# Altium PCB MainBoard.PcbDoc
Units mil, origin at the board's own origin, x right, y up, seen from the top; angles counter-clockwise.
Board outline 2126.61 x 1968.5 mil, 2 copper layers (Top Layer, Bottom Layer); 71 components, 81 nets, 395 pads, 139 vias.
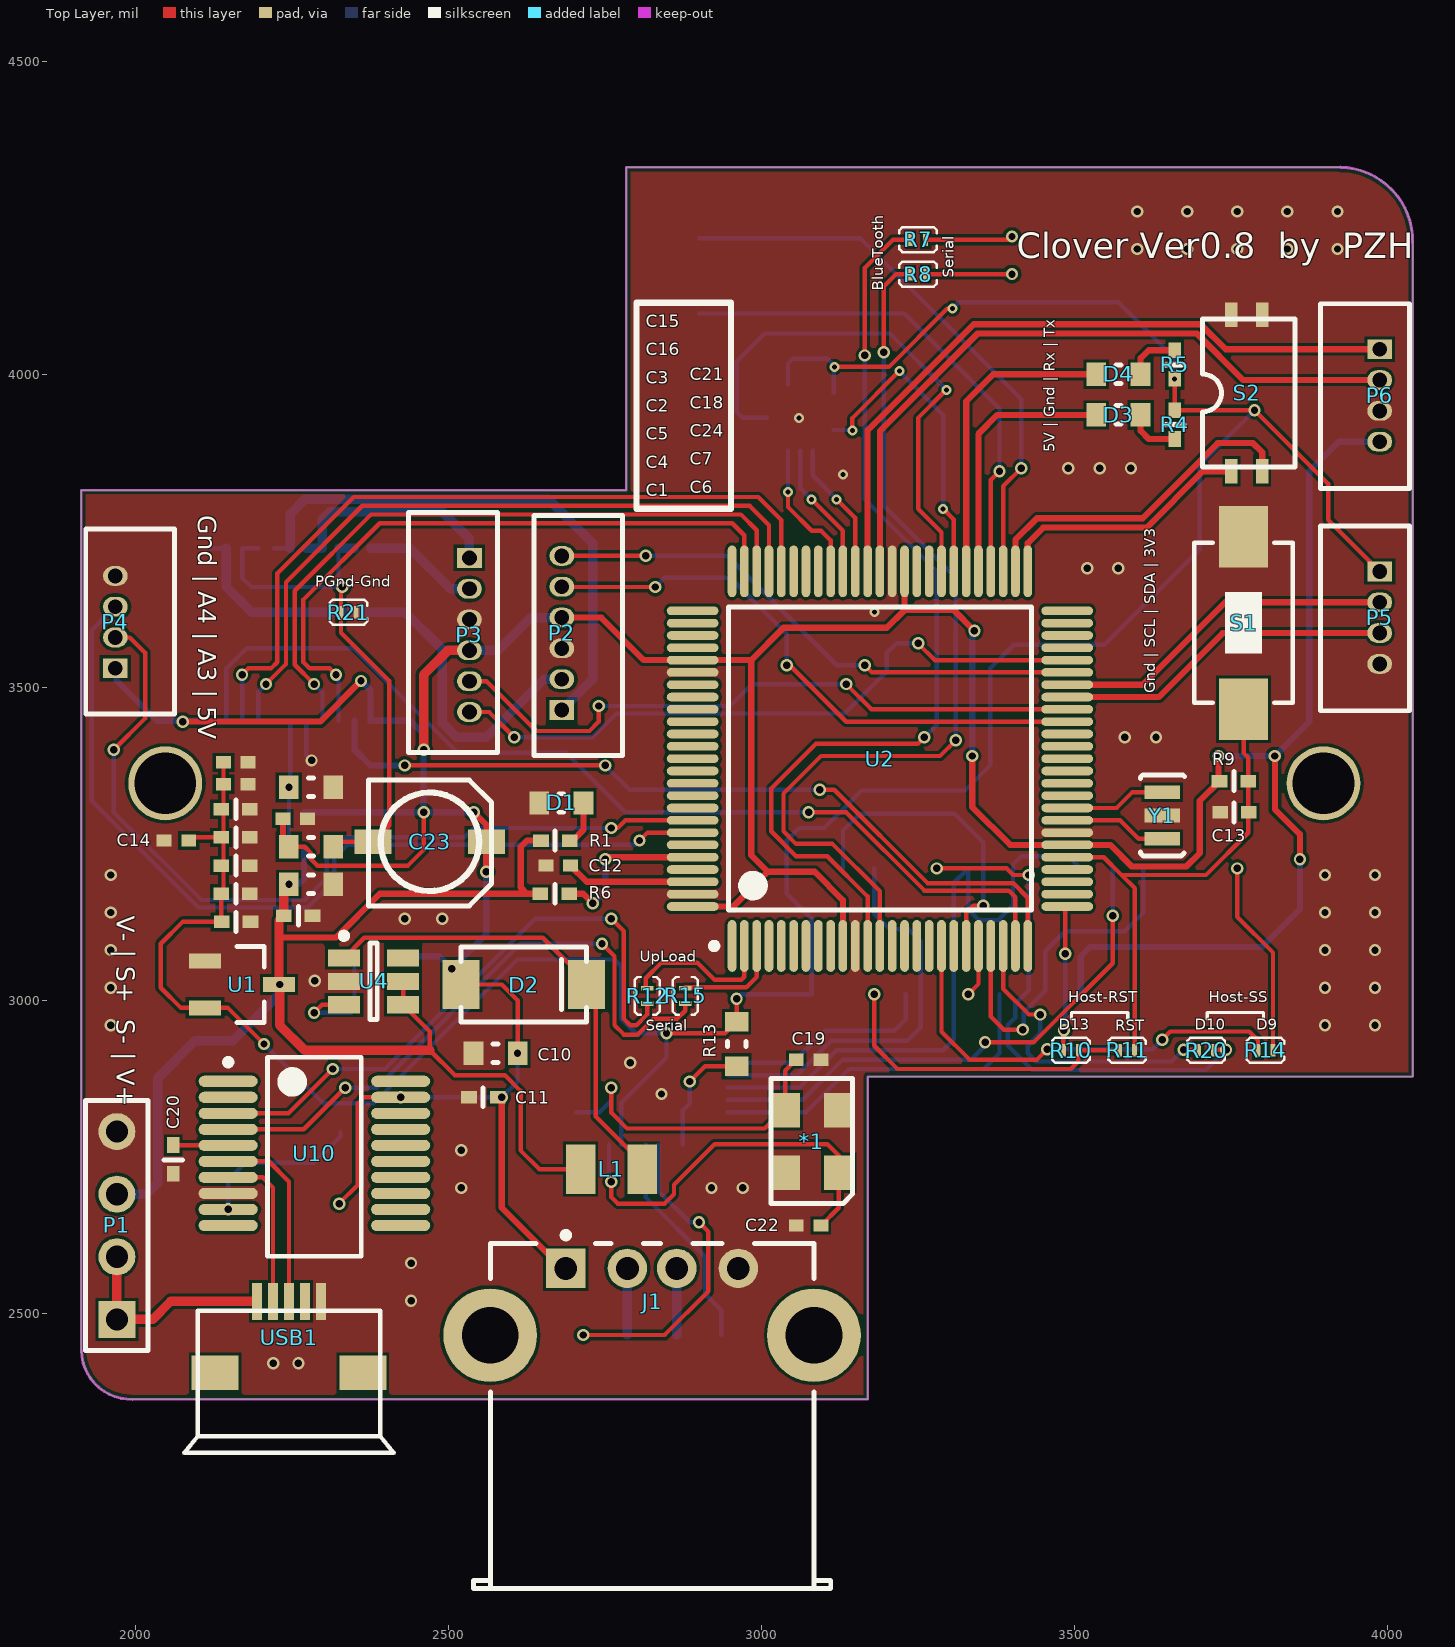
[diagram p0: Top Layer view]
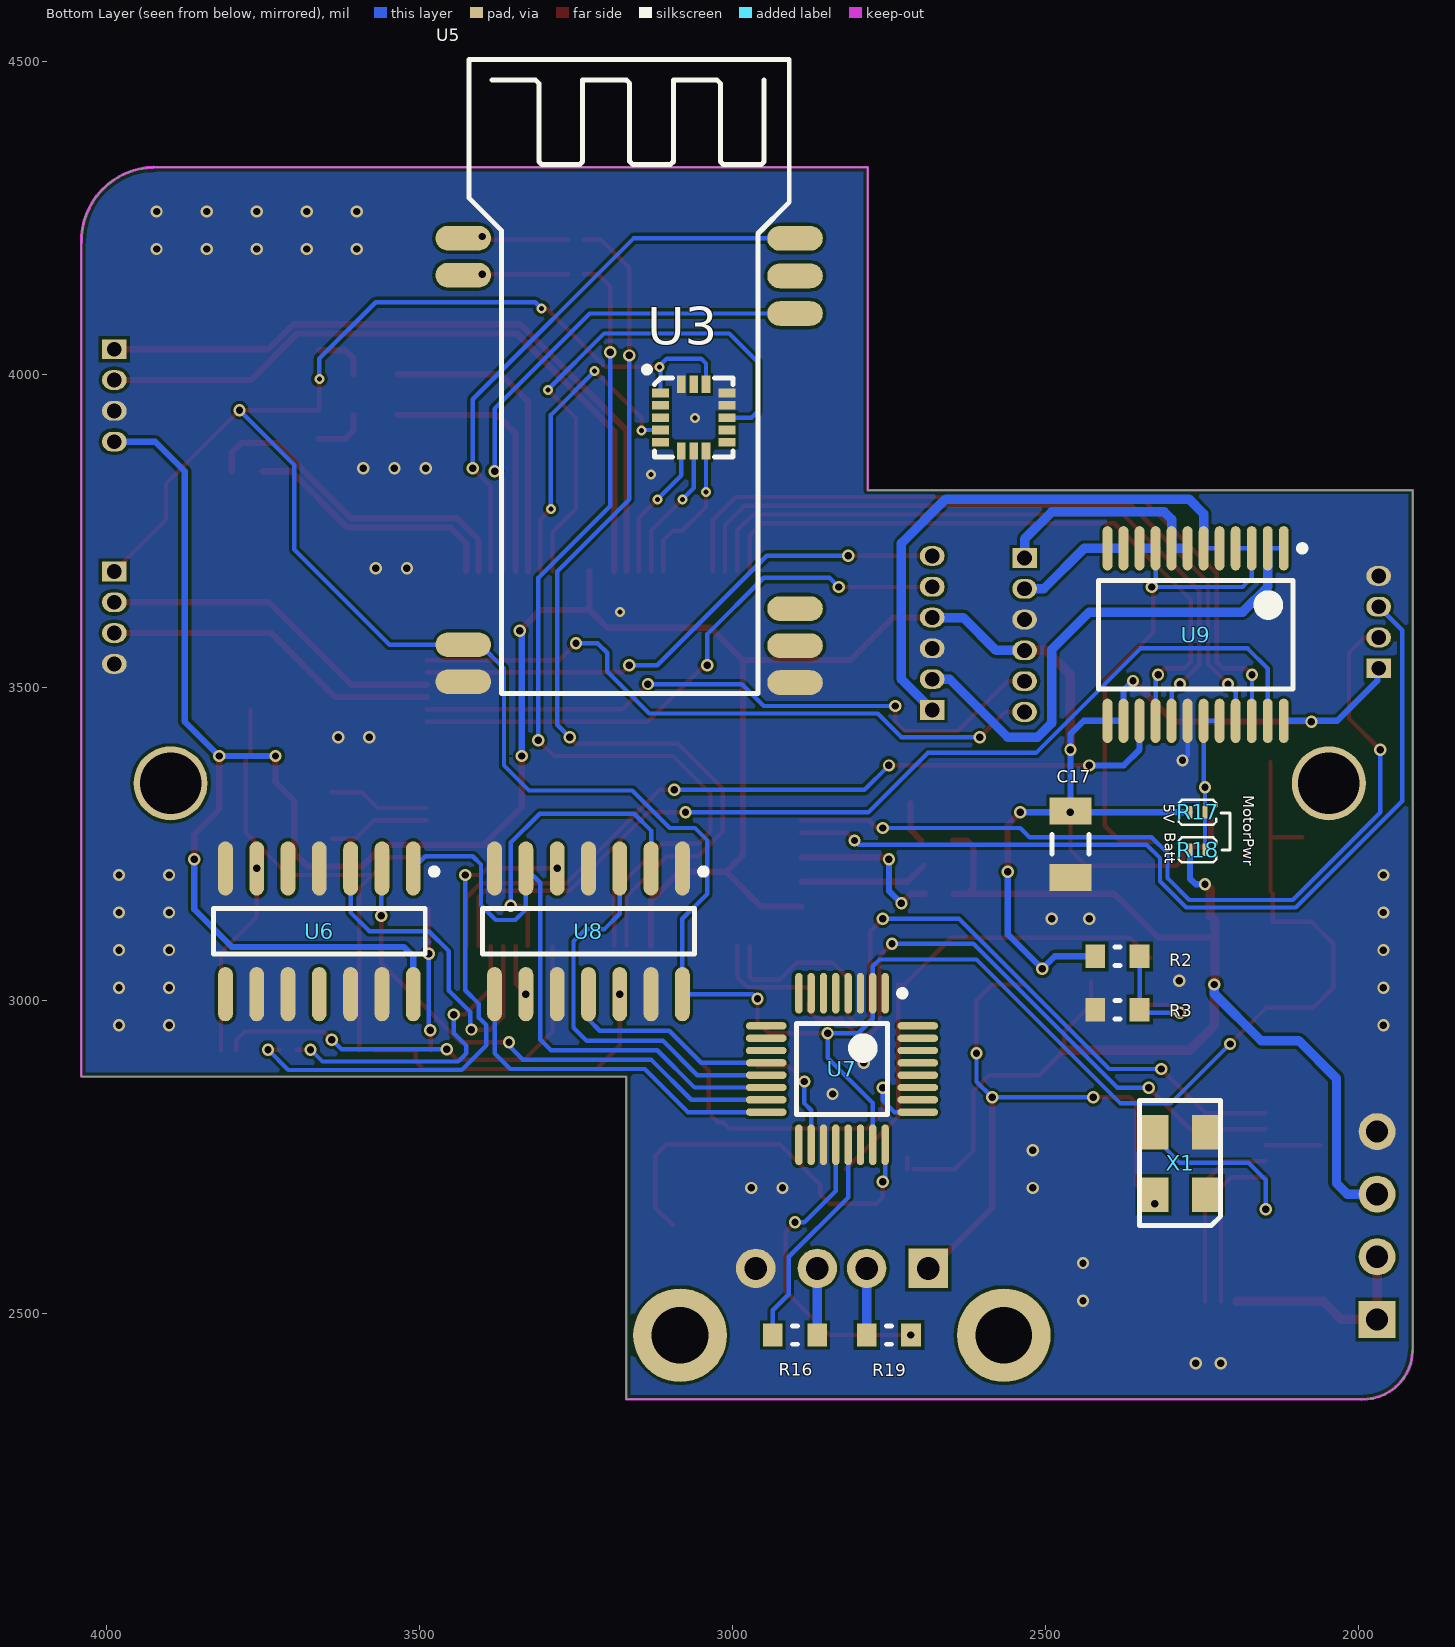
[diagram p1: Bottom Layer view, seen from below]

## Layer stack, top to bottom
Top Solder: solder mask 0.4, Solder Resist, Dk 3.5
Top Layer: signal copper 1.4
Dielectric 1: dielectric 12.6, FR-4, Dk 4.8
Bottom Layer: signal copper 1.4
Bottom Solder: solder mask 0.4, Solder Resist, Dk 3.5

## Board outline
1995,2362.2 cw(c1993.09,2441.91) 1913.39,2440 1913.39,3815 2784,3815 2784,4330.71 3925,4330.71 cw(c3922.15,4212.85) 4040,4210 4040,2878.03 3169.61,2878.03 3169.61,2362.2

## Design rules (kind name [scope] priority, off if disabled: settings)
Clearance [All] p1: gap=5
ComponentClearance [All] p1: gap=0 collisioncheckmode=3 verticalgap=0 showdistances=FALSE
HoleToHoleClearance [All] p1: gap=0 allowstackedmicrovias=TRUE
MinimumSolderMaskSliver [All] p1: minsoldermaskwidth=1
PlaneConnect [All] p1: planeconnectstyle=Direct reliefexpansion=20 reliefentries=4 reliefconductorwidth=10 reliefairgap=10
PolygonConnect [All] p1: connectstyle=Direct reliefconductorwidth=10 reliefentries=4 polygonreliefangle="90 Angle" airgapwidth=10
RoutingVias [All] p1: holewidth=28 width=50 viastyle="Through Hole" minholewidth=28 minwidth=50 maxholewidth=28 maxwidth=50
SilkToSilkClearance [All] p1: silktosilkclearance=0
SilkToSolderMaskClearance [IsPad] p1: minsilkscreentomaskgap=0 clearancetoexposedcopper=TRUE
SolderMaskExpansion [All] p1: expansion=4
UnpouredPolygon [All] p1: allowunpoured=FALSE
Width [All] p1: maxlimit=100 minlimit=7 preferedwidth=10
23 further rules are at their usual default settings.

## Components (designator, comment, footprint, x,y, rotation, side; value= is the part's Value field where it differs from the comment)
*1 "5032晶振" 5032晶振 3085,2775 r90 top
C1 "Cap" 0402C 2160,3125 r0 top
C2 "Cap" 0402C 2160,3260 r180 top
C3 "Cap" 0402C 2160,3305 r180 top
C4 "Cap" 0402C 2160,3170 r180 top
C5 "Cap" 0402C 2160,3215 r180 top
C6 "Cap" 0402C 2260,3135 r180 top
C7 "Cap" 0603_M 2280,3185 r180 top
C10 "10uF" 0603_M 2575,2915 r0 top
C11 "0.1uF" 0402C 2555,2845 r0 top
C12 "电容_0402" 0402 2675,3215 r0 top
C13 "Cap" 0402C 3755,3300 r0 top
C14 "电容_0603" 0402 2065,3255 r180 top
C15 "电容_0603" 0402 2160,3380 r0 top
C16 "电容_0603" 0402 2160,3345 r0 top
C17 "Cap Semi" C1206 2460,3249 r90 bottom
C18 "电容_0603" 0402 2255,3290 r0 top
C19 "电容_0603" 0402 3075,2905 r180 top
C20 "Cap" 0402C 2060,2745 r90 top
C21 "value" 0603_M 2280,3340 r180 top
C22 "电容_0603" 0402 3075,2640 r180 top
C23 "钽电容6x7mm" "CAP 6X7mm 贴片电解" 2470,3253 r0 top
C24 "0.1uF" 0603_M 2280,3245 r180 top
D1 "LED" 0603_M 2680,3315 r180 top
D2 "SS34" DO-214 2620,3025 r180 top
D3 "LED" 0603_M 3570,3935 r180 top
D4 "LED" 0603_M 3570,4000 r180 top
J1 "USB" USB_A1 2825,2060 r270 top
L1 "4.7uH" 贴片电感CD32 2760,2730 r0 top
P1 "开关" HDR1X4 1970,2490 r90 top
P2 "编码器1" 接插件6x1.25mm 2716,3586 r90 top
P3 "编码器2" 接插件6x1.25mm 2498,3584 r270 top
P4 "距离传感器" 接插件4x1.25mm 1995,3605 r90 top
P5 "MPU6050" 接插件4x1.25mm 3960,3610 r270 top
P6 "串口3" 接插件4x1.25mm 3960,3965 r270 top
R1 "电阻_0402" 0402C 2670,3255 r0 top
R2 "220k" 0603_M 2385,3070 r180 bottom
R3 "30k" 0603_M 2385,2985 r0 bottom
R4 "电阻_0402" 0402C 3660,3920 r270 top
R5 "电阻_0402" 0402C 3660,4015 r90 top
R6 "电阻_0402" 0402C 2670,3170 r180 top
R7 "0R电阻" 0R电阻 3250,4215 r0 top
R8 "0R电阻" 0R电阻 3250,4160 r0 top
R9 "Res2" 0402C 3755,3350 r180 top
R10 "0R电阻" 0R电阻 3494,2920 r0 top
R11 "0R电阻" 0R电阻 3584,2920 r180 top
R12 "0R电阻" 0R电阻 2817,3007 r90 top
R13 "电阻_0603" 0603_M 2960,2930 r90 top
R14 "0R电阻" 0R电阻 3805,2920 r180 top
R15 "0R电阻" 0R电阻 2878,3007 r90 top
R16 "电阻_0603" 0603_M 2900,2465 r0 bottom
R17 "0R电阻" 0R电阻 2257,3300 r0 bottom
R18 "0R电阻" 0R电阻 2257,3240 r0 bottom
R19 "电阻_0603" 0603_M 2750,2465 r180 bottom
R20 "0R电阻" 0R电阻 3710,2920 r0 top
R21 "0R电阻" 0R电阻 2340,3620 r180 top
S1 "SW-PB" SW_PB2_A1 3770,3605 r180 top
S2 "SW DIP-4" SW8_4BIT 3780,3970 r0 top
U1 "XC6206" SOT-23 2170,3025 r0 top
U2 "ATmega2560" QFP-100 3188.98,3385.83 r90 top
U3 "ADXL362" MAX21100 3115,3970 r180 bottom
U4 "MT3608" SOT23-6 2380,3030 r0 top
U5 "HC-06" HM_01_02_09_10 3420,3442 r180 bottom
U6 "74HC125" SOIC-14 3660,3110 r270 bottom
U7 "MAX3421E" TQFP-32 2825,2890 r270 bottom
U8 "74HC125" SOIC-14 3230,3110 r270 bottom
U9 "TB6612" SOP65P760-24 2260,3584 r270 bottom
U10 "CH340T" SSOP20 2290,2755 r0 top
USB1 "Micro USB" "USB MICRO" 2245,2385 r270 top
X1 "5032晶振" 5032晶振 2280,2740 r90 bottom
Y1 "XTAL-3PIN" X-CPX20 3640,3295 r270 top

## Footprints (in the part's own frame and the unit in brackets; to place one, negate y for a bottom-side part, rotate by r counter-clockwise, add the part's x,y. Pads: shape width x height; smd on the part's side, far side on the other; paste and mask are expansions set on the pad)
0R电阻 [mil]
  rect 7.87x20 smd: 1(-12,0) 2(12,0)
  silkscreen extent -30,-20 30,20
0402 [mm] "Chip Capacitor, Body 1.0x0.5mm, IPC High Density"
  rect 0.6x0.5 smd: 1(-0.5,0) 2(0.5,0)
  body extent -0.55,-0.3 0.55,0.3, height 1.3
0402C [mil]
  rect 25x20 smd: 1(-22.5,0) 2(23.5,0)
  silkscreen extent 0,-15 0,15
0603_M [mm]
  rect 0.8x0.95 smd: 1(-0.9,0) 2(0.9,0)
  silkscreen extent -0.1,-0.38 0.1,0.38, body extent -0.8,-0.4 0.8,0.4, height 0.5
5032晶振 [mm]
  rect 1.4x1.2 smd: 1(-1.289,-0.97) 2(1.251,-0.97) 3(1.251,1.2) 4(-1.289,1.2)
  silkscreen extent -2.54,-1.52 2.54,1.78
C1206 [mm] "Chip Capacitor, Body 3.2x1.6mm, IPC High Density"
  rect 1.1x1.7 smd: 1(-1.35,0) 2(1.35,0)
  silkscreen extent -0.4,-0.75 0.4,0.75, body extent -1.7,-0.9 1.7,0.9, height 1.3
"CAP 6X7mm 贴片电解" [mm]
  rect 1.5x1 smd: 1(2.3,0) 2(-2.3,0)
  silkscreen extent -2.5,-2.6 2.5,2.5
DO-214 [mm]
  rect 1.5x2 smd: 1(-2.54,0) 2(2.54,0)
  silkscreen extent -2.54,-1.52 2.54,1.52, body extent -3.04,-1.52 3.04,1.52, height 2.3
HDR1X4 [mm] "Connector; Header; 4 Position"
  rect 1.5x1.5 hole 0.9: 1(0,0)
  round 1.5 hole 0.9: 2(2.54,0) 3(5.08,0) 4(7.62,0)
  silkscreen extent -1.27,-1.27 8.89,1.27
HM_01_02_09_10 [mil]
  oval 88.74x39.37 smd: 1(-10,775.43) 2(-10,716.38) 12(-10,125.83) 13(-10,66.77) 22(520,65.43) 23(520,124.49) 24(520,183.54) 32(520,655.04) 33(520,715) 34(520,775)
  silkscreen extent -1,48 511,1061
MAX21100 [mm]
  rect 0.7x0.35 smd: 1(0,0) 2(0,-0.5) 3(0,-1) 4(0,-1.5) 5(0,-2) 9(2.7,-2) 10(2.7,-1.5) 11(2.7,-1) 12(2.7,-0.5) 13(2.7,0)
  rect 0.35x0.7 smd: 6(0.85,-2.35) 7(1.35,-2.35) 8(1.85,-2.35) 14(1.85,0.35) 15(1.35,0.35) 16(0.85,0.35)
  silkscreen extent -0.66,-2.6 2.95,1.06
QFP-100 [mm] "TSQFP, 100-Leads, Body 16.3x16.3"
  oval 2.1x0.35 smd: 1(-7.6,6) 2(-7.6,5.5) 3(-7.6,5) 4(-7.6,4.5) 5(-7.6,4) 6(-7.6,3.5) 7(-7.6,3) 8(-7.6,2.5) 9(-7.6,2) 10(-7.6,1.5) 11(-7.6,1) 12(-7.6,0.5) 13(-7.6,0) 14(-7.6,-0.5) 15(-7.6,-1) 16(-7.6,-1.5) 17(-7.6,-2) 18(-7.6,-2.5) 19(-7.6,-3) 20(-7.6,-3.5) 21(-7.6,-4) 22(-7.6,-4.5) 23(-7.6,-5) 24(-7.6,-5.5) 25(-7.6,-6) 51(7.6,-6) 52(7.6,-5.5) 53(7.6,-5) 54(7.6,-4.5) 55(7.6,-4) 56(7.6,-3.5) 57(7.6,-3) 58(7.6,-2.5) 59(7.6,-2) 60(7.6,-1.5) 61(7.6,-1) 62(7.6,-0.5) 63(7.6,0) 64(7.6,0.5) 65(7.6,1) 66(7.6,1.5) 67(7.6,2) 68(7.6,2.5) 69(7.6,3) 70(7.6,3.5) 71(7.6,4) 72(7.6,4.5) 73(7.6,5) 74(7.6,5.5) 75(7.6,6)
  oval 0.35x2.1 smd: 26(-6,-7.6) 27(-5.5,-7.6) 28(-5,-7.6) 29(-4.5,-7.6) 30(-4,-7.6) 31(-3.5,-7.6) 32(-3,-7.6) 33(-2.5,-7.6) 34(-2,-7.6) 35(-1.5,-7.6) 36(-1,-7.6) 37(-0.5,-7.6) 38(0,-7.6) 39(0.5,-7.6) 40(1,-7.6) 41(1.5,-7.6) 42(2,-7.6) 43(2.5,-7.6) 44(3,-7.6) 45(3.5,-7.6) 46(4,-7.6) 47(4.5,-7.6) 48(5,-7.6) 49(5.5,-7.6) 50(6,-7.6) 76(6,7.6) 77(5.5,7.6) 78(5,7.6) 79(4.5,7.6) 80(4,7.6) 81(3.5,7.6) 82(3,7.6) 83(2.5,7.6) 84(2,7.6) 85(1.5,7.6) 86(1,7.6) 87(0.5,7.6) 88(0,7.6) 89(-0.5,7.6) 90(-1,7.6) 91(-1.5,7.6) 92(-2,7.6) 93(-2.5,7.6) 94(-3,7.6) 95(-3.5,7.6) 96(-4,7.6) 97(-4.5,7.6) 98(-5,7.6) 99(-5.5,7.6) 100(-6,7.6)
  silkscreen extent -7.72,-6.15 6.15,6.85, body extent -7,-7 7,7, height 1.2
SOIC-14 [mm] "SOP, 14-Leads,"
  oval 2.2x0.6 smd: 1(-2.552,3.81) 2(-2.552,2.54) 3(-2.552,1.27) 4(-2.552,0) 5(-2.552,-1.27) 6(-2.552,-2.54) 7(-2.552,-3.81) 8(2.552,-3.81) 9(2.552,-2.54) 10(2.552,-1.27) 11(2.552,0) 12(2.552,1.27) 13(2.552,2.54) 14(2.552,3.81)
  silkscreen extent -2.55,-4.3 0.93,4.78, body extent -3,-4.34 2.99,4.34, height 1.55
SOP65P760-24 [mm] "0.65mm间距24管脚"
  oval 1.8x0.4 smd: 1(-3.5,3.575) 2(-3.5,2.925) 3(-3.5,2.275) 4(-3.5,1.625) 5(-3.5,0.975) 6(-3.5,0.325) 7(-3.5,-0.325) 8(-3.5,-0.975) 9(-3.5,-1.625) 10(-3.5,-2.275) 11(-3.5,-2.925) 12(-3.5,-3.575) 13(3.5,-3.575) 14(3.5,-2.925) 15(3.5,-2.275) 16(3.5,-1.625) 17(3.5,-0.975) 18(3.5,-0.325) 19(3.5,0.325) 20(3.5,0.975) 21(3.5,1.625) 22(3.5,2.275) 23(3.5,2.925) 24(3.5,3.575)
  silkscreen extent -3.62,-3.95 2.2,4.45, body extent -3.95,-4.31 3.95,4.32, height 1.79
SOT23-6 [mm]
  rect 1.3x0.7 smd: 1(-1.2,0.95) 2(-1.2,0) 3(-1.2,-0.95) 4(1.2,-0.95) 5(1.2,0) 6(1.2,0.95)
  silkscreen extent -1.32,-1.55 0.15,1.97, body extent -0.9,-1.55 0.9,1.55
SOT-23 [mm] "SOT23, 3-Leads, Body 3.1x3.0mm (max), Pitch 0.95mm, IPC Medium Density"
  rect 1.3x0.6 smd: 1(-1.5,0.95) 2(-1.5,-0.95) 3(1.5,0)
  silkscreen extent -0.2,-1.55 0.9,1.55, body extent -0.9,-1.55 0.9,1.55, height 1.2
SSOP20 [mm]
  oval 2.4x0.45 smd: 1(-3.612,2.932) 2(-3.612,2.282) 3(-3.612,1.632) 4(-3.612,0.982) 5(-3.612,0.332) 6(-3.612,-0.318) 7(-3.612,-0.968) 8(-3.612,-1.618) 9(-3.612,-2.268) 10(-3.612,-2.918) 11(3.388,-2.918) 12(3.388,-2.268) 13(3.388,-1.618) 14(3.388,-0.968) 15(3.388,-0.318) 16(3.388,0.332) 17(3.388,0.982) 18(3.388,1.632) 19(3.388,2.282) 20(3.388,2.932)
  silkscreen extent -3.74,-4.17 1.79,3.91, body extent -2.81,-4.17 2.59,3.96, height 2
SW8_4BIT [mm] "贴片拨码开关"
  rect 0.5x1 smd: 1(-0.75,-3.176) 2(0.5,-3.176) 3(0.5,3.176) 4(-0.75,3.176)
  silkscreen extent -1.91,-3 1.83,3, body extent -1.91,-3 1.83,3, height 2
SW_PB2_A1 [mm]
  rect 2x2.5 smd: 1(0,3.556) 2(0,-3.444)
  silkscreen extent -2,-3.19 2,3.31, body extent -1.93,-3.94 1.92,3.95, height 2.5
TQFP-32 [mm]
  oval 1.65x0.3 smd: 1(-3.075,1.75) 2(-3.075,1.25) 3(-3.075,0.75) 4(-3.075,0.25) 5(-3.075,-0.25) 6(-3.075,-0.75) 7(-3.075,-1.25) 8(-3.075,-1.75) 17(3.075,-1.75) 18(3.075,-1.25) 19(3.075,-0.75) 20(3.075,-0.25) 21(3.075,0.25) 22(3.075,0.75) 23(3.075,1.25) 24(3.075,1.75)
  oval 0.3x1.65 smd: 9(-1.75,-3.075) 10(-1.25,-3.075) 11(-0.75,-3.075) 12(-0.25,-3.075) 13(0.25,-3.075) 14(0.75,-3.075) 15(1.25,-3.075) 16(1.75,-3.075) 25(1.75,3.075) 26(1.25,3.075) 27(0.75,3.075) 28(0.25,3.075) 29(-0.25,3.075) 30(-0.75,3.075) 31(-1.25,3.075) 32(-1.75,3.075)
  silkscreen extent -3.2,-1.85 1.85,2.57, body extent -2.5,-2.5 2.5,2.5, height 1.2
"USB MICRO" [mm]
  rect 1.5x0.4 smd: 1(-3.4,-1.3) 2(-3.4,-0.65) 3(-3.4,0) 4(-3.4,0.65) 5(-3.4,1.3)
  rect 1.4x1.9 smd: ""(-0.5,3) ""(-0.5,-3)
  silkscreen extent -3.03,-4.25 2.75,4.25
USB_A1 [mm]
  rect 1.6x1.6 hole 0.92: 1(-12.99,-3.5)
  round 1.6 hole 0.92: 2(-12.99,-1) 3(-12.99,1) 4(-12.99,3.5)
  round 3.8 hole 2.3: 5(-10.28,6.57) 6(-10.28,-6.57)
  silkscreen extent -14.46,-7.25 0,7.25, body extent -14.16,-7.9 0,7.9, height 7.55
X-CPX20 [mm] "贴片晶振"
  rect 0.55x1.45 smd: 1(-0.95,0) 2(0,0) 3(0.95,0)
  silkscreen extent -1.65,-0.89 1.65,0.91
接插件4x1.25mm [mm] "TO, Thru-Hole, Vertical, Heatsink Mounted; 5 In-Line Leads; Pitch 1.70 mm"
  rect 0.8x1 hole 0.6: 1(-1.901,0.698)
  oval 0.8x1 hole 0.6: 2(-0.651,0.698) 3(0.598,0.698) 4(1.849,0.698)
  silkscreen extent -3.75,-1.7 3.75,1.9
接插件6x1.25mm [mm] "TO, Thru-Hole, Vertical, Heatsink Mounted; 5 In-Line Leads; Pitch 1.70 mm"
  rect 0.8x1 hole 0.6: 1(-3.11,0.894)
  oval 0.8x1 hole 0.6: 2(-1.86,0.894) 3(-0.61,0.894) 4(0.64,0.894) 5(1.89,0.894) 6(3.14,0.894)
  silkscreen extent -4.95,-1.57 4.79,2.03
贴片电感CD32 [mm]
  rect 1.2x2 smd: 1(-1.25,0) 2(1.25,0)

## Part data
C1 C2 C3 C4 C5 C6 C7 C12 C13 C14 C15 C16 C18 C19 C20 C22: "Capacitor"
C10: library part Cap, "Capacitor 100nF (104) ±10% 25V 0603"
C11: library part "Cap Semi", "Capacitor (Semiconductor SIM Model)"
C17: "Capacitor (Semiconductor SIM Model)"
C21 C24: library part Cap, "Capacitor"
C23: "Polarized Capacitor (Radial)"
D1 D3 D4: library part LED0, "Typical INFRARED GaAs LED"
D2: library part Diode, "Diode  SS34 DO214-AC"
J1: "USB接口"
L1: library part 贴片电感, "Inductor, 6.8uH, 4.5A, 1054 SMD"
P1: library part "Header 4", "Header, 4-Pin"
P2 P3: library part 接插件6x1.25mm_1
P4: library part MHDR1X4, "Header, 4-Pin"
P5 P6: library part 接插件4x1.25mm
R1 R4 R5 R6 R7 R8 R9 R10 R11 R12 R13 R14 R15 R16 R17 R18 R19 R20 R21: "Resistor"
R2 R3: library part Res2, "Resistor, 22R 1% 0603 (1608)"
S1: "微动开关"
S2: "编码开关"
U4: "升压IC"
U5: library part HM01_02_09_1, "HM bluetooth module HM-01,HM-02,HM-09"
USB1: "USB"
Y1: "贴片晶振"

## Free pads (board coordinates)
  round 118.11 hole 98.43: 0(2047.24,3346.46) 1(3897.64,3346.46)

## Via types
v1: diameter 19.68, hole 11.81, Top Layer to Bottom Layer, tented both sides, 126 vias
v2: diameter 16, hole 8, Top Layer to Bottom Layer, 13 vias

## Nets (pads, with @x,y where several pads share a name; then routed paths per layer and width w, separated by ;. In a path a pad name is that pad's centre, name@x,y a point inside that pad or via, vN(x,y) a via of type N, cw(c..) or ccw(c..) an arc to the next point about the centre after c; other vN are vias at no path point)
3V3: C1.1 C2.2 C3.2 C4.2 C5.2 C14.1 C15.1 C16.1 P5.1 R4.1 R5.1 R13.2 U1.2 U3.1 U3.14 U5.12 U7.2 U7.23 U8.14 | length 4841
  Top Layer w7: C14.1@2089.69,3260 C2.2 ; C1.1@2136.5,3126 C4.2 ; C1.1 2075,3125 2040,3090 2040,3020 2072.4,2987.6 U1.2 2147.4,2987.6 v1(2205,2930) ; C4.2@2140.32,3173.82 C16.1 C15.1 ; v1(2848,2947) 2941.57,2947 R13.2 v1(2960,3002) ; v2(3116.66,4011.66) 3203.32,4011.66 3296.67,4105 v2(3305,4105) ; v2(3660,3992.5) R4.1 v1(3787.5,3942.5) 3905,3825 3905,3767.33 P5.1
  Bottom Layer w7: v1(2205,2930) 2300,2835 2380,2835 2610,3065 2765,3065 2775.79,3054.21 U7.2 2775.79,2970.21 2799,2947 v1(2848,2947) 2848,2908 2775.79,2835.79 U7.23 ; v1(2960,3002) 2967.53,3009.53 U8.14 3080,3130 3040,3170 3040,3255 3060,3275 3100,3275 3160,3335 3325,3335 3365,3375 3365,3530 3402.83,3567.83 U5.12 3547.83,3567.83 3700,3720 3700,3855 v1(3787.5,3942.5) ; U3.14 3042.17,4017.17 3050,4025 3105,4025 3115,4015 U3.1 ; v2(3305,4105) 3315,4115 3570,4115 3660,4025 v2(3660,3992.5)
5V: C10.2 C11.2 C17.2 C18.1 C23.1 C24.2 D2.2 J1.1 P2.4 P3.4 P4.1 P6.4 R2.1 R9.2 R17.2 U2.10 U2.31 U2.61 U2.80 U2.100 U6.14 U9.13 U9.14 U9.24 U10.19 X1.4 | length 6894.1
  Top Layer w7: C24.2 2270,3245 2280,3235 2280,3225 2290,3215 2435,3215 2460,3240 v1(2460,3300) ; v1(2325,2675) 2355,2705 2355,2835 2364.84,2844.84 v1(2423.39,2844.84) ; D2.2@2535,3025 2585,3025 2610.43,2999.57 C10.2
  Top Layer w10: v1(2075,3445) 2295,3445 v1(2360,3510) ; C24.2@2235.32,3254.25 C18.1 ; v1(2540,3300) 2560.55,3279.45 C23.1 ; v1(2560,3205) C23.1@2560,3252.45 ; v1(2585,2844.84) 2585,2668.62 J1.1@2687.2,2566.42 ; P2.4 2743.79,3611.21 2811.69,3543.31 U2.80 2983.31,3543.31 ; U2.100 2954.61,3149.61 3010,3205 ; U2.10 3129.92,3159.92 3084.84,3205 3010,3205 ; U2.61 3228.35,3623.35 ; v1(3336.5,3390) 3336.5,3308.5 3396.97,3248.03 U2.31 3556.97,3248.03 3591.5,3213.5 3678.5,3213.5 3700,3235 3700,3318.5 R9.2 ; v1(3340,3590) 3306.65,3623.35 3228.35,3623.35 ; R9.2@3730,3351.5 v1(3730,3390) ; v1(3820,3390) 3820,3305 3860,3265 v1(3860,3225) ; 2983.31,3543.31 3035,3595 3200,3595 3228.35,3623.35 ; 2983.31,3543.31 2983.31,3231.69 3010,3205
  Top Layer w15: v1(2460,3400) 2460,3520 2498.79,3558.79 P3.4
  Bottom Layer w7: v1(2423.39,2844.84) v1(2585,2844.84) 2610,2869.84 v1(2610,2915)
  Bottom Layer w10: P4.1@1969.5,3528.17 1969.5,3510.5 2033.8,3446.2 U9.24 ; R17.2 C17.2@2457.85,3300 ; v1(2360,3510) 2375.16,3494.84 U9.14 U9.13 2438.8,3446.2 2460,3425 v1(2460,3400) C17.2 ; R2.1 2485,3070 v1(2505,3050) 2560,3105 v1(2560,3205) ; C17.2@2462.15,3300 v1(2540,3300) ; v1(3336.5,3390) 3336.5,3586.5 v1(3340,3590) ; U6.14 3510,3070 3525,3085 3800,3085 3860,3145 v1(3860,3225) ; v1(3730,3390) v1(3820,3390) 3875,3445 3875,3845 3922.2,3892.2 P6.4
  Bottom Layer w15: P3.4 2578.79,3558.79 2631.21,3611.21 P2.4
362_CS: U2.67 U3.8 | length 229.4
  Top Layer w7: v2(3042.17,3812.17) 3042.17,3787.83 3080,3750 3095,3750 3110.24,3734.76 U2.67
  Bottom Layer w7: v2(3042.17,3812.17) U3.8
ARD_MISO: U2.22 U6.3 | length 562.5
  Top Layer w7: U2.22 3366.14,2973.86 3387,2953 v1(3417,2953)
  Bottom Layer w7: v1@3419,2955 3419,2981 3453,3015 3453,3078 3485,3110 3580,3110 3610,3140 U6.3
ARD_MOSI: U2.21 U8.9 | length 83.9
  Top Layer w7: v1(3330,3009.53) 3346.46,3025.98 U2.21
ARD_RST: R10.2 R11.2 U8.12 | length 512.8
  Top Layer w7: v1(3180,3009.53) 3180,2927 3217,2890 3494,2890 3506,2902 R10.2 R11.2
ARD_SCK: U2.20 U8.2 | length 500.8
  Top Layer w7: U2.20 3326.77,3139.77 3338,3151 v1(3354,3151)
  Bottom Layer w7: U8.2 3130,3271 3157,3298 3308,3298 3354,3252 v1(3354,3151)
AT_SET: U2.53 U5.34 | length 908.5
  Top Layer w7: U2.53 3385.83,3820.83 v1(3415,3850)
  Bottom Layer w7: U5.34 3158,4217 3415,3960 v1(3415,3850)
BT_CNT: U2.54 U5.32 | length 808.7
  Top Layer w7: U2.54 3366.14,3831.14 v1(3380,3845)
  Bottom Layer w7: U5.32 3227.96,4097.04 3380,3945 v1(3380,3845)
CH_RX: R12.1 U10.3 | length 975.4
  Top Layer w7: U10.3 2244.25,2819.25 v1(2315,2890) ; v1(2760,3130) 2780,3110 2780,2970 2790,2960 2800,2960 2817,2977 R12.1
  Bottom Layer w7: v1(2315,2890) 2398.03,2890 2638.03,3130 v1(2760,3130)
CH_TX: R15.1 U10.4 | length 1005.2
  Top Layer w7: U10.4 2268.66,2793.66 v1(2335,2860) ; v1(2745,3090) 2765,3070 2765,2960 2780,2945 2801.97,2945 2826.97,2970 2865,2970 2878,2983 R15.1
  Bottom Layer w7: v1(2335,2860) 2385,2860 2615,3090 v1(2745,3090)
D9: R14.2 U2.18 | length 701.5
  Top Layer w7: U2.18 3287.4,2949.6 3332,2905 3440,2905 v1(3456.5,2921.5) ; v1(3640,2937) 3653,2950 3779,2950 3793,2936 R14.2
  Bottom Layer w7: v1(3456.5,2921.5) 3624.5,2921.5 v1(3640,2937)
D10: R20.1 U2.23 | length 500.2
  Top Layer w7: U2.23 3385.83,3018.17 3427,2977 v1(3445,2977) ; v1(3674,2921) R20.1@3697,2921
  Bottom Layer w7: v1(3445,2977) 3445,2947 3425,2927 3425,2915 3438,2902 3655,2902 v1(3674,2921)
D13: R10.1 U2.26 | length 227.7
  Top Layer w7: R10.1 3482,2951 v1(3483,2952) ; v1(3485,3074) U2.26@3485,3146.42
  Bottom Layer w7: v1(3483,2952) 3485,2954 v1(3485,3074)
D+: U10.6 USB1.3 | length 301.8
  Top Layer w7: U10.6 2212.52,2742.48 2245,2710 USB1.3
D-: U10.7 USB1.2 | length 260.1
  Top Layer w7: U10.7 2203.11,2716.89 2219.41,2700.59 USB1.2
DIR1+: U2.72 U9.21 | length 1148.8
  Top Layer w7: v1(2208.21,3505) 2240.16,3536.95 2240.16,3667.84 2362.16,3789.84 2980.84,3789.84 3011.81,3758.87 U2.72
  Bottom Layer w7: U9.21 2196.02,3492.81 v1(2208.21,3505)
DIR1-: U2.71 U9.22 | length 1232.6
  Top Layer w7: v1(2170,3520) 2180,3530 2216.24,3530 2226.24,3540 2226.24,3681.76 2348.24,3803.76 2994.76,3803.76 3031.5,3767.02 U2.71
  Bottom Layer w7: U9.22@2170,3446.64 v1(2170,3520)
DIR2+: U2.73 U9.17 | length 1090.8
  Top Layer w7: v1(2285,3505) 2254.08,3535.92 2254.08,3653.92 2376.08,3775.92 2966.92,3775.92 2992.13,3750.71 U2.73
  Bottom Layer w7: v1(2285,3505) 2298.39,3491.61 U9.17
DIR2-: U2.74 U9.16 | length 1050.7
  Top Layer w7: v1(2320,3520) 2310,3530 2278,3530 2268,3540 2268,3640 2390,3762 2953,3762 2972.44,3742.56 U2.74
  Bottom Layer w7: U9.16 v1@2323.98,3516.02
ENC1_A: P2.6 U2.45 | length 884.2
  Top Layer w7: P2.6@2681.15,3710 v1(2815,3710) ; v1(3165,3535) 3176.38,3523.62 U2.45
  Bottom Layer w7: v1(2815,3710) 2945,3710 3120,3535 v1(3165,3535)
ENC1_B: P2.5 U2.41 | length 937.8
  Top Layer w7: P2.5@2681.21,3660 v1(2830,3660) ; v1(3040,3535) 3045,3535 3135.12,3444.88 U2.41
  Bottom Layer w7: v1(2830,3660) 2845,3675 2950,3675 3040,3585 v1(3040,3535)
ENC2_A: P3.6 U2.46 | length 1062.5
  Top Layer w7: P3.6 2564.64,3460.36 v1(2605,3420) ; v1(3250,3570) 3276.69,3543.31 U2.46
  Bottom Layer w7: v1(2605,3420) 2730,3420 2768,3458 3133,3458 3200,3525 3200,3555 3215,3570 v1(3250,3570)
ENC2_B: P3.5 U2.42 | length 1050.4
  Top Layer w7: P3.5 2560.43,3509.57 2640,3430 2725,3430 2740,3445 v1(2740,3470) ; v1(3135,3505) 3175.43,3464.57 U2.42
  Bottom Layer w7: v1(2740,3470) 2950,3470 2985,3505 v1(3135,3505)
GND: *1.2 *1.4 C1.2 C2.1 C3.1 C4.1 C5.1 C6.1 C7.1 C10.1 C11.1 C12.1 C13.1 C14.2 C15.2 C16.2 C17.1 C18.2 C19.1 C20.1 C21.1 C22.2 D1.2 J1.4 P1.4 P2.3 P3.3 P4.4 P5.4 P6.3 R3.2 R21.1 S1.2 S2.3 S2.4 U1.1 U2.11 U2.32 U2.62 U2.81 U2.99 U3.12 U3.13 U3.16 U4.2 U5.13 U5.22 U6.4 U6.7 U6.9 U6.10 U6.12 U6.13 U7.3 U7.19 U8.1 U8.4 U8.7 U8.10 U8.13 U9.18 U10.8 USB1.5 X1.2 Y1.2 | length 66.6
  Bottom Layer w7: U9.18 2272.8,3391.2 v1(2281,3383)
  other v1: 2220,2420 2260,2420 2440,2520 2440,2580 2520,2700 2920,2700 2970,2700 2520,2760 2840,2850 2790,2900 1960,2960 3900,2960 3980,2960 1960,3020 3900,3020 3980,3020 2286,3031 1960,3080 3900,3080 3980,3080 2430,3130 2490,3130 1960,3140 3900,3140 3980,3140 1960,3200 3900,3200 3980,3200 3580,3420 3630,3420 3520,3690 3570,3690 3490,3850 3540,3850 3590,3850 3600,4200 3680,4200 3760,4200 3840,4200 3920,4200 3600,4260 3680,4260 3760,4260 3840,4260 3920,4260
  other v2: 3180,3620 3130,3840 3060,3930
INTP0: U2.58 U3.11 | length 847.6
  Top Layer w7: U2.58 3287.4,3747.6 3250,3785 3250,3930 v2(3295,3975)
  Bottom Layer w7: U3.11 2969.37,3930.63 2960,3940 2960,4020 3005,4065 3205,4065 v2(3295,3975)
LED0: D3.2 U2.55 | length 420.3
  Top Layer w10: U2.55 3346.46,3904.68 3376.77,3935 D3.2
LED1: D4.2 U2.56 | length 497.4
  Top Layer w10: U2.56 3326.77,3956.77 3370,4000 D4.2
M1+: P2.2 U9.1 U9.2 | length 829.8
  Bottom Layer w7: U9.1 U9.2
  Bottom Layer w15: U9.2 2144.84,3660.16 2185,3620 2430,3620 2490,3560 2490,3442.63 2512.63,3420 2560,3420 2652.79,3512.79 P2.2
M1-: P2.1 U9.5 U9.6 | length 889.5
  Bottom Layer w7: U9.5 U9.6
  Bottom Layer w15: U9.6 2247.2,3777.2 2270.53,3800.53 2659.47,3800.53 2730,3730 2730,3512.79 P2.1
M2+: P3.2 U9.11 U9.12 | length 184.8
  Bottom Layer w15: U9.11 U9.12 2438.2,3721.8 2502.79,3657.21 P3.2
M2-: P3.1 U9.7 U9.8 | length 360.1
  Bottom Layer w15: U9.7 U9.8 2298.39,3768.39 2310,3780 2490,3780 2533.21,3736.79 P3.1
MISO: U6.2 U7.15 | length 859.3
  Top Layer w7: v1(3357,2933) 3435,2933 3561,3059 v1(3561,3135)
  Bottom Layer w7: U7.15 3065.79,2840.79 3130,2905 3335,2905 3357,2927 v1(3357,2933) ; v1(3561,3135) U6.2@3561,3209.47
MOSI: U7.16 U8.8 | length 567.4
  Bottom Layer w7: U7.16 3071.1,2821.1 3140,2890 3355,2890 3380,2915 U8.8
MRST: U7.12 U8.11 | length 353.1
  Bottom Layer w7: U7.12 3049.84,2899.84 3101,2951 3212,2951 3230,2969 U8.11
Net*1_1: *1.1 C22.1 U7.24 | length 626.7
  Top Layer w7: v1(2760,2710) 2760,2685 2770,2675 2845,2675 2860,2690 2860,2705 2925,2770 3105,2770 3123.19,2751.81 *1.1 3123.19,2668.5 C22.1
  Bottom Layer w7: v1@2756.1,2713.9 U7.24
Net*1_3: *1.3 C19.2 U7.25 | length 503
  Top Layer w7: v1(2760,2860) 2760,2820 2785,2795 3005,2795 3015,2805 3023.51,2805 *1.3@3032.76,2814.24 ; *1.3 3037.76,2887.44 C19.2
  Bottom Layer w7: U7.25 2741.1,2821.1 2760,2840 v1(2760,2860)
NetC12_2: C12.2 U2.98 | length 205.9
  Top Layer w10: C12.2 2720.71,3188.98 U2.98
NetC20_2: C20.2 U10.5 | length 88
  Top Layer w7: C20.2 2060.43,2768.07 U10.5
NetC21_2: C21.2 R17.1 R18.1 U9.19 U9.20 | length 232.7
  Bottom Layer w7: U9.20 U9.19 2247.2,3342.2 v1(2245,3340) R17.1 R18.1
NetD1_1: D1.1 R1.2 | length 67
  Top Layer w10: R1.2@2698.5,3255 2715.43,3271.93 D1.1
NetD2_1: D2.1 L1.2 U4.1 | length 776.4
  Top Layer w7: U4.1 2365,3099.65 2650.35,3099.65 2725,3025 2735,3025 2735,2814.21 L1.2@2819.21,2730
NetD3_1: D3.1 R4.2 | length 85.4
  Top Layer w10: D3.1 3605.43,3909.57 3618.5,3896.5 R4.2
NetD4_1: D4.1 R5.2 | length 85.4
  Top Layer w10: D4.1 3605.43,4025.43 3618.5,4038.5 R5.2
NetJ1_2: J1.2 R19.1 | length 101.4
  Bottom Layer w15: R19.1@2785.63,2465 J1.2@2785.63,2566.42
NetJ1_3: J1.3 R16.1 | length 101.4
  Bottom Layer w15: R16.1@2864.37,2465 J1.3@2864.37,2566.42
NetR2_2: R2.2 R3.1 U4.3 | length 204.6
  Top Layer w7: v1(2285,2980) 2297.6,2992.6 U4.3
  Bottom Layer w7: v1(2285,2980) 2344.57,2980 R3.1 R2.2
NetR6_1: R6.1 U2.96 | length 263.1
  Top Layer w10: R6.1 2715,3170 v1(2730,3155) ; v1(2750,3225) 2753.35,3228.35 U2.96
  Bottom Layer w10: v1(2730,3155) 2750,3175 v1(2750,3225)
NetR7_2: R7.2 U5.1 | length 133
  Top Layer w7: R7.2 v1@3395,4215
  other v1: 3400,4220
NetR8_2: R8.2 U5.2 | length 138
  Top Layer w7: R8.2 v1(3400,4160)
NetR13_1: R13.1 U7.18 | length 190.7
  Top Layer w7: v1(2885,2870) 2909.57,2894.57 R13.1
  Bottom Layer w7: U7.18 2874.21,2824.21 2885,2835 v1(2885,2870)
NetR14_1: R14.1 U6.6 | length 314.1
  Top Layer w7: v1(3760,3210.47) 3760,3133 3817,3076 R14.1
NetR16_2: R16.2 U7.21 | length 353.8
  Bottom Layer w7: U7.21 2815.16,2684.84 2910,2590 2910,2530 2935.43,2504.57 R16.2
NetR19_2: R19.2 U7.20 | length 504.9
  Top Layer w7: v1(2715,2465) 2845,2465 2915,2535 2915,2630 v1(2900,2645)
  Bottom Layer w7: U7.20 2834.84,2695.16 2885,2645 v1(2900,2645)
NetR20_2: R20.2 U8.5 | length 835.2
  Top Layer w7: v1(3280,3210.47) 3391.53,3210.47 3402,3200 v1(3427,3200) ; R20.2@3723,2921 v1(3742,2921)
  Bottom Layer w7: v1(3427,3200) 3427,3016 3405,2994 3405,2972 3393,2960 3393,2928 3432.5,2888.5 3709.5,2888.5 v1(3742,2921)
NetU2_33: U2.33 Y1.3 | length 164.2
  Top Layer w7: U2.33 3572.6,3287.4 3602.4,3257.6 Y1.3
NetU2_34: U2.34 Y1.1 | length 162.3
  Top Layer w7: U2.34 3567.09,3307.09 3592.4,3332.4 Y1.1
NRST: C13.2 R9.1 R11.1 S1.1 U2.30 | length 818.3
  Top Layer w7: U2.30 3546.65,3228.35 3575,3200 ; R11.1 3596,3179 3575,3200 ; S1.1 3770,3395 3777.5,3387.5 R9.1 3777.5,3267.5 3710,3200 3575,3200
PGND: C23.2 C24.1 R21.2 U9.3 U9.4 U9.9 U9.10 | length 831.8
  Top Layer w7: C24.1@2323.43,3253 C23.2 2405,3278.55 2405,3510 2328,3587 R21.2 v1@2328,3658
  Bottom Layer w7: U9.4 U9.3 2170.43,3674.57 2185,3660 v1(2330,3660) 2323.98,3666.02 U9.9
  Bottom Layer w15: U9.9 U9.10
PWM1: U2.24 U9.23 | length 1600.2
  Top Layer w7: v1(3075,3300) 3135.03,3300 3260.03,3175 3395,3175 3405.51,3164.49 U2.24
  Bottom Layer w7: U9.23 2144.84,3529.84 2177,3562 2348,3562 2515,3395 2688,3395 2783,3300 v1(3075,3300)
PWM2: U2.25 U9.15 | length 1296.6
  Top Layer w7: v1(2430,3375) v1(2750,3375) ; v1(3093,3336) 3116,3336 3265,3187 3402,3187 3425.2,3163.8 U2.25
  Bottom Layer w7: v1(2750,3375) 2789,3336 v1(3093,3336)
  Bottom Layer w10: U9.15 2349.57,3400.43 2375,3375 v1(2430,3375)
SCK00: U2.57 U3.4 | length 512.5
  Top Layer w7: v2(3145,3910) 3145,3930 v2(3220,4005) ; v2(3290,3785) 3307.09,3767.91 U2.57
  Bottom Layer w7: U3.4 3144.05,3910.95 v2(3145,3910) ; v2(3220,4005) 3290,3935 v2(3290,3785)
SCL: P5.3 U2.43 | length 541.6
  Top Layer w10: U2.43 3634.25,3484.25 3736.44,3586.44 P5.3
SCLK: U7.13 U8.3 | length 642
  Bottom Layer w7: U7.13 3056.16,2880.16 3111,2935 3233,2935 3254,2956 3254,3094 3235,3113 3205,3113 3180,3138 U8.3
SDA: P5.2 U2.44 | length 553.9
  Top Layer w10: U2.44 3608.94,3503.94 3740.62,3635.62 P5.2
SET0: S2.1 U2.51 | length 418
  Top Layer w10: U2.51 3425.2,3730.2 3450,3755 3615,3755 3704.95,3844.95 S2.1
SET1: S2.2 U2.52 | length 545.1
  Top Layer w10: U2.52 3405.51,3735.51 3440,3770 3608.79,3770 3728.79,3890 3785,3890 3799.68,3875.32 S2.2
SHARP_IR0: P4.2 U2.93 | length 1392.3
  Top Layer w7: v1(1965,3400) 2015,3450 2015,3555 1990.62,3579.38 P4.2 ; v1(2760,3275) 2770,3275 2782.4,3287.4 U2.93
  Bottom Layer w7: v1(1965,3400) 1965,3300 2105,3160 2270,3160 2305,3195 2305,3235 2330,3260 2525,3260 2540,3275 v1(2760,3275)
SHARP_IR1: P4.3 U2.94 | length 1427.5
  Top Layer w7: v1(2805,3255) 2817.72,3267.72 U2.94
  Bottom Layer w7: P4.3 1930,3591.06 1930,3318.03 2100.03,3148 2274.97,3148 2317,3190.03 2317,3227 2338,3248 2798,3248 v1(2805,3255)
SI00: U2.66 U3.7 | length 220.6
  Top Layer w7: v2(3080,3800) 3129.92,3750.08 U2.66
  Bottom Layer w7: U3.7 3061.85,3818.15 v2(3080,3800)
SO00: U2.65 U3.6 | length 220.6
  Top Layer w7: v2(3120,3800) 3149.61,3770.39 U2.65
  Bottom Layer w7: U3.6 3081.54,3838.46 v2(3120,3800)
SS: U6.1 U7.14 U8.6 | length 1016.6
  Bottom Layer w7: U7.14 3060.47,2860.47 3120,2920 3290,2920 3307,2937 3307,3187.47 U8.6 3330,3145 3347,3128 3378,3128 3401.66,3151.66 3401.66,3216.66 3415,3230 3490.47,3230 U6.1
USART0_RX: R12.2 U2.2 | length 247.4
  Top Layer w7: R12.2 2815,3021 2815,3035 2840,3060 2897.34,3060 2925,3032.34 2967.34,3032.34 2972.44,3037.44 U2.2
USART0_TX: R15.2 U2.3 | length 171.9
  Top Layer w7: R15.2 2878,3020.34 2975.34,3020.34 2992.13,3037.13 U2.3
USART2_RX: R7.1 U2.12 | length 1520.8
  Top Layer w7: v1(3165,4030) 3165,4170 3210,4215 R7.1 ; U2.12 3169.29,3165.71 3105,3230 3055,3230 3015.32,3269.68 3015.32,3338.15 3086.85,3409.68 3249.68,3409.68 v1(3260,3420)
  Bottom Layer w7: v1(3165,4030) 3165,3800 3280,3685 3280,3440 v1(3260,3420)
USART2_TX: R8.1 U2.13 | length 1475.4
  Top Layer w7: U2.13 3188.98,3173.86 3113.15,3249.68 3055,3249.68 3035,3269.68 3035,3330 3095,3390 3285,3390 v1(3310,3415) ; v1(3195,4035) 3195,4140 3215,4160 R8.1
  Bottom Layer w7: v1(3195,4035) 3195,3790 3310,3675 v1(3310,3415)
USART3_RX: P6.2 U2.63 | length 1117.9
  Top Layer w10: U2.63 3188.98,3908.98 3345,4065 3695,4065 3769.38,3990.62 P6.2
USART3_TX: P6.1 U2.64 | length 1130.5
  Top Layer w10: U2.64 3169.29,3910.5 3338.79,4080 3701.21,4080 3741.38,4039.83 P6.1
VBAT: C6.2 C7.2 L1.1 P1.3 R1.1 R6.2 R18.2 U1.3 U4.4 U4.5 | length 2140.1
  Top Layer w7: U4.5 U4.4 2469.84,2950 2469.84,2920.16 2510,2880 2590,2880 2615,2855 2615,2760 2645,2730 L1.1 ; L1.1@2720.79,2730 L1.1@2720.79,2749.21
  Top Layer w10: 2229.06,3100 2320,3100 2390,3170 2625,3170 ; R6.2 2625,3170 ; R1.1 2625,3255 2615,3245 2615,3180 2625,3170
  Top Layer w15: U1.3 2229.06,3100 2229.06,3127.56 C6.2 C7.2@2236.5,3176.93 ; v1(2230,3025) 2230,2960 2269.84,2920.16 2469.84,2920.16
  Bottom Layer w10: v1(2245,3185) 2260,3185 2269,3194 R18.2
  Bottom Layer w15: P1.3 2017.56,2690 2035,2707.44 2035,2875 2095,2935 2155,2935 2230,3010 v1(2230,3025)
VIN+: P1.1 P1.2 USB1.1 | length 335.8
  Top Layer w15: P1.2 P1.1 2027.28,2490 2056.14,2518.86 USB1.1
XI: U10.9 X1.3 | length 262.3
  Bottom Layer w7: v1(2147.8,2665.71) 2147.8,2712.8 2175,2740 2285,2740 2327.24,2782.24 X1.3
pads on no net: J1.5 J1.6 U2.1 U2.4 U2.5 U2.6 U2.7 U2.8 U2.9 U2.14 U2.15 U2.16 U2.17 U2.19 U2.27 U2.28 U2.29 U2.35 U2.36 U2.37 U2.38 U2.39 U2.40 U2.47 U2.48 U2.49 U2.50 U2.59 U2.60 U2.68 U2.69 U2.70 U2.75 U2.76 U2.77 U2.78 U2.79 U2.82 U2.83 U2.84 U2.85 U2.86 U2.87 U2.88 U2.89 U2.90 U2.91 U2.92 U2.95 U2.97 U3.2 U3.3 U3.5 U3.9 U3.10 U3.15 U4.6 U5.23 U5.24 U5.33 U6.5 U6.8 U6.11 U7.1 U7.4 U7.5 U7.6 U7.7 U7.8 U7.9 U7.10 U7.11 U7.17 U7.22 U7.26 U7.27 U7.28 U7.29 U7.30 U7.31 U7.32 U10.1 U10.2 U10.10 U10.11 U10.12 U10.13 U10.14 U10.15 U10.16 U10.17 U10.18 U10.20 USB1. USB1.4 X1.1

## Polygon pours and split planes (outlines as drawn)
GND on Top Layer "Keep-Out Layer-No Net" (solid, remove dead copper, pour order 4): 1750,4500 4250,4500 4250,2250 1750,2250
GND on Bottom Layer "Keep-Out Layer-No Net" (solid, remove dead copper, pour order 6): 1750,4500 1750,2250 4250,2250 4250,4500

## Keep-outs
Keep-Out Layer:
  the board outline again, w5

## Silkscreen, mask and mechanical layers (free items; w line width, h text height)
Top Overlay:
  lines w5: 3495,2970 3495,2980 3585,2980 3585,2970 ; 3712,2970 3712,2980 3802,2980 3802,2970
  lines w10: 2800,3785 2800,4114 2951,4114 2951,3785 2800,3785
  text "Clover Ver0.8  by  PZH" at 3408,4172 h70
  text "Serial" at 3313,4154 h30 r90
  text "BlueTooth" at 3201,4133 h30 r90
  text "5V | Gnd | Rx | Tx" at 3475,3875 h30 r90
  text "Gnd | A4 | A3 | 5V" at 2090,3775 h50 r270
  text "PGnd-Gnd" at 2287,3654 h30
  text "Gnd | SCL | SDA | 3V3" at 3635,3490 h30 r90
  text "V- | S+  S- | V+" at 1960,3135 h50 r270
  text "UpLoad" at 2805,3055 h30
  text "Host-RST" at 3490,2990 h30
  text "Host-SS" at 3714,2990 h30
  text "D13" at 3475,2946 h30
  text "D10" at 3692,2946 h30
  text "D9" at 3790,2946 h30
  text "Serial" at 2815,2945 h30
  text "RST" at 3565,2945 h30
Bottom Overlay:
  lines w5: 2218,3240 2205,3240 2205,3299 2219,3299
  text "MotorPwr" at 2190,3327 h30 r90
  text "5V" at 2317,3314 h30 r90
  text "Batt" at 2316,3268 h30 r90